# Altium PCB AN_IF_Converter_V1.0.PcbDoc (part 1 of 2) (continued)
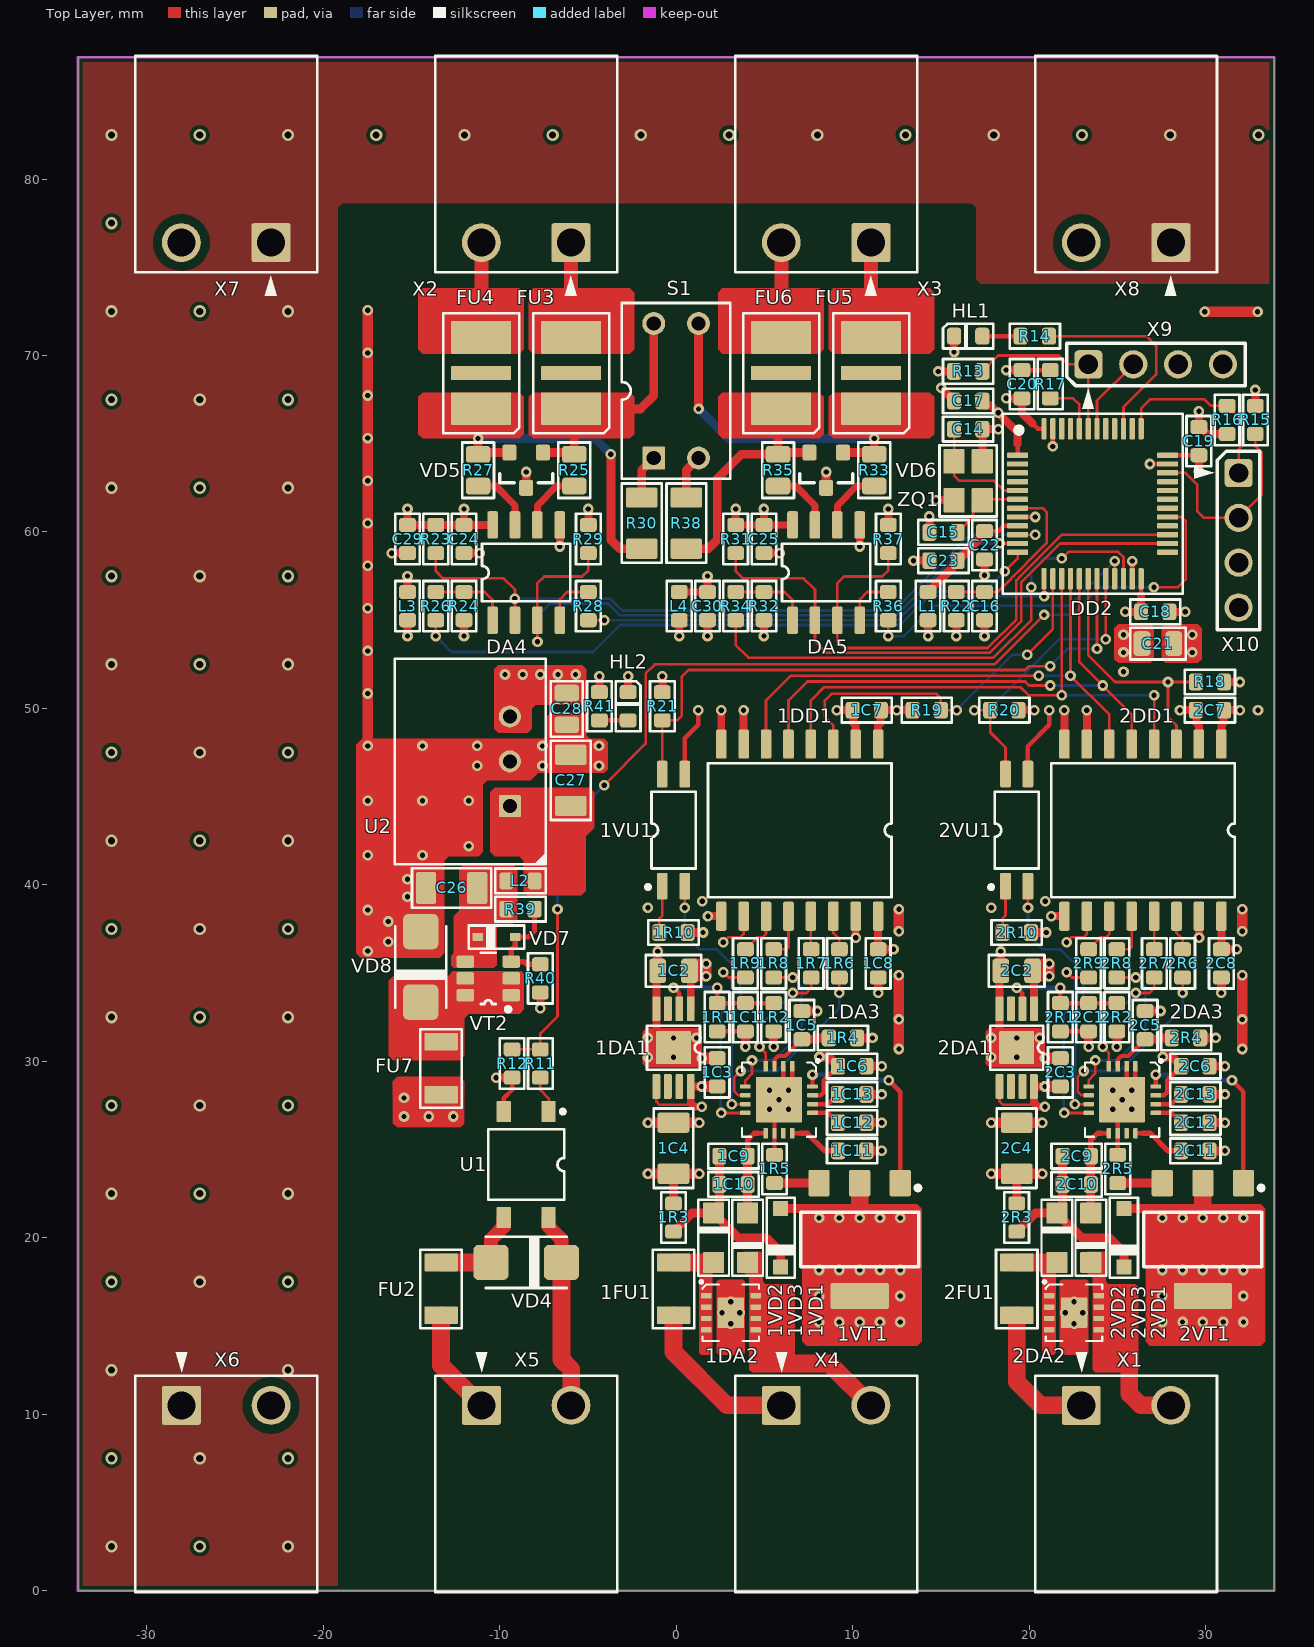
[diagram p0: Top Layer view]
## Part data (continued)
1R1 2R1: library part RC0603FR-07158KL, "Резистор", Артикул=RC0603FR-07158KL, Вид монтажа=SMD, Корпус="0603 (1608 Metric)", Напряжение=75V, Номинал=158k, Описание="158 kOhms ±1% 0.1W, 1/10W Chip Resistor 0603 (1608 Metric) Moisture Resistant Thick Film", Производитель=YAGEO, Строка для документации=https://www.yageo.com/upload/media/product/app/datasheet/rchip/pyu-rc_group_51_rohs_l.pdf, Температурный диапазон="-55°C ~ 155°C", Тип элемента=Резистор, ТКС=±100ppm/°C, Точность=1%
1R2 2R2: library part RC0603FR-07100KL, "Резистор", Артикул=RC0603FR-07100KL, Вид монтажа=SMD, Корпус="0603 (1608 Metric)", Напряжение=75V, Номинал=100k, Описание="100 kOhms ±1% 0.1W, 1/10W Chip Resistor 0603 (1608 Metric) Moisture Resistant Thick Film", Производитель=YAGEO, Строка для документации=https://www.yageo.com/upload/media/product/app/datasheet/rchip/pyu-rc_group_51_rohs_l.pdf, Температурный диапазон="-55°C ~ 155°C", Тип элемента=Резистор, ТКС=±100ppm/°C, Точность=1%
1R3 2R3: library part RC0603FR-07100RL, "Резистор", Артикул=RC0603FR-07100RL, Вид монтажа=SMD, Корпус="0603 (1608 Metric)", Напряжение=75V, Номинал=100, Описание="100 Ohms ±1% 0.1W, 1/10W Chip Resistor 0603 (1608 Metric) Moisture Resistant Thick Film", Производитель=YAGEO, Строка для документации=https://www.yageo.com/upload/media/product/app/datasheet/rchip/pyu-rc_group_51_rohs_l.pdf, Температурный диапазон="-55°C ~ 155°C", Тип элемента=Резистор, ТКС=±100ppm/°C, Точность=1%
1R4 1R5 1R6 1R7 1R8 1R9 2R4 2R5 2R6 2R7 2R8 2R9 R26 R28 R34 R36: library part RC0603FR-0722RL, "Резистор", Артикул=RC0603FR-0722RL, Вид монтажа=SMD, Корпус="0603 (1608 Metric)", Напряжение=75V, Номинал=22, Описание="22 Ohms ±1% 0.1W, 1/10W Chip Resistor 0603 (1608 Metric) Moisture Resistant Thick Film", Производитель=YAGEO, Строка для документации=https://www.yageo.com/upload/media/product/app/datasheet/rchip/pyu-rc_group_51_rohs_l.pdf, Температурный диапазон="-55°C ~ 155°C", Тип элемента=Резистор, ТКС=±100ppm/°C, Точность=1%
1R10 2R10: library part RC0603FR-07300RL, "Резистор", Артикул=RC0603FR-07300RL, Вид монтажа=SMD, Корпус="0603 (1608 Metric)", Напряжение=75V, Номинал=300, Описание="300 Ohms ±1% 0.1W, 1/10W Chip Resistor 0603 (1608 Metric) Moisture Resistant Thick Film", Производитель=YAGEO, Строка для документации=https://www.yageo.com/upload/media/product/app/datasheet/rchip/pyu-rc_group_51_rohs_l.pdf, Температурный диапазон="-55°C ~ 155°C", Тип элемента=Резистор, ТКС=±100ppm/°C, Точность=1%
1VD1 2VD1 VD7: "Стабилитрон", Вид монтажа=SMD, Тип=Zener, Тип элемента=Диод
  1VD1 2VD1: Артикул=MMSZ5228BT1G, Корпус=SOD-123, Напряжение=3.9V, Описание="Zener Diode 3.9 V 500 mW ±5% Surface Mount SOD-123", Производитель=onsemi, Прямой ток=20mA, Строка для документации=https://www.onsemi.com/pdf/datasheet/mmsz5221bt1-d.pdf, Температурный диапазон="-55°C ~ 150°C"
  VD7: Артикул=BZX384-B15,115, Корпус=SOD-323, Напряжение=15V, Описание="Zener Diode 15 V 300 mW ±2% Surface Mount SOD-323", Производитель="Nexperia USA Inc.", Прямой ток=5mA, Строка для документации=https://assets.nexperia.com/documents/data-sheet/BZX384_SER.pdf, Температурный диапазон="-65°C ~ 150°C"
1VD2 1VD3 2VD2 2VD3: "Диод Шоттки", Артикул=PMEG6010CEH,115, Вид монтажа=SMD, Корпус=SOD-123F, Напряжение=60V, Описание="Diode 60 V 1A Surface Mount SOD-123F", Производитель="Nexperia USA Inc.", Прямой ток=1A, Строка для документации=https://assets.nexperia.com/documents/data-sheet/PMEG6010CEH.pdf, Температурный диапазон="-65°C ~ 150°C", Тип=Schottky, Тип элемента=Диод
1VT1 2VT1: "Биполярный транзистор, NPN структуры", Артикул=PZT3904T1G, Вид монтажа=SMD, Корпус="SOT-223 (TO-261)", Напряжение=40V, Описание="Bipolar (BJT) Transistor NPN 40 V 200 mA 300MHz 1.5 W Surface Mount SOT-223 (TO-261)", Производитель=onsemi, Температурный диапазон="-55°C ~ 150°C (TJ)", Тип=NPN, Тип элемента="Транзистор биполярный", Ток=0.2A
1VU1 2VU1: "NPN транзисторная оптопара", Артикул=FODM217AR2, Вид монтажа=SMD, Корпус="4-SOIC (0.173\", 4.40mm Width)", Напряжение=1.2V, Описание="Optoisolator Transistor Output 3750Vrms 1 Channel 4-SOP", Производитель=onsemi, Прямой ток=50mA, Строка для документации=https://www.onsemi.com/pdf/datasheet/fodm214-d.pdf, Температурный диапазон="-55°C ~ 110°C", Тип элемента="Транзисторная оптопара"
C14 C15: library part CL10C100CB8NNNC, "Конденсатор", Артикул=CL10C100CB8NNNC, Вид монтажа=SMD, Диэлектрик=NP0, Корпус="0603 (1608 Metric)", Напряжение=50V, Номинал=10pF, Описание="10 pF ±0.25pF 50V Ceramic Capacitor C0G, NP0 0603 (1608 Metric)", Производитель="Samsung Electro-Mechanics", Строка для документации=https://www.samsungsem.com/resources/file/global/support/product_catalog/MLCC.pdf, Температурный диапазон="-55°C ~ 125°C", Тип элемента=Конденсатор, Точность=±0.25pF
DA4 DA5: "Микросхема приемопередатчика RS-485", Артикул=ADM3483ARZ, Вид монтажа=SMD, Корпус="8-SOIC (0.154\", 3.90mm Width)", Описание="1/1 Transceiver Half RS422, RS485 8-SOIC", Производитель="Analog Devices Inc.", Строка для документации=https://www.analog.com/media/en/technical-documentation/data-sheets/ADM3483_3485_3488_3490_3491.pdf, Температурный диапазон="-40°C ~ 85°C", Тип элемента=Микросхема
DD2: "Микросхема микроконтроллер", Артикул=STM32F103C8T6, Вид монтажа=SMD, Корпус="48-LQFP (9x9)", Описание="ARM® Cortex®-M3 STM32F1 Microcontroller IC 32-Bit Single-Core 72MHz 64KB (64K x 8) FLASH", Производитель=STMicroelectronics, Строка для документации=https://www.st.com/resource/en/datasheet/stm32f103cb.pdf, Температурный диапазон="-40°C ~ 85°C (TA)", Тип элемента=Микросхема
FU3 FU4 FU5 FU6: library part TBU-CA065-200-WH, "Полупроводниковый предохранитель", Артикул=TBU-CA065-200-WH, Вид монтажа=SMD, Корпус="6.50mm x 4.00mm", Напряжение ограничения=650V, Описание="SURGE SUPP TBU 200MA 650VIMP SMD", Производитель="Bourns Inc.", Строка для документации=https://www.bourns.com/docs/Product-Datasheets/TBU-CA.pdf, Температурный диапазон="-55°C ~ 125°C", Тип="Surge Suppression IС", Тип элемента=Предохранитель, Ток=200mA
FU7: library part 0ZCJ0010FF2E, "Плавкий предохранитель", Артикул=0ZCJ0010FF2E, Вид монтажа=SMD, Корпус="1206 (3216 Metric), Concave", Напряжение=60V, Описание="Polymeric PTC Resettable Fuse 60V 100 mA Ih Surface Mount 1206 (3216 Metric), Concave", Производитель="Bel Fuse Inc.", Строка для документации=https://www.belfuse.com/resources/datasheets/circuitprotection/ds-cp-0zcj-series.pdf, Температурный диапазон="-40°C ~ 85°C", Тип="PTC Resettable Fuse", Тип элемента=Предохранитель, Ток=100mA
HL1 HL2: "Светодиод", Вид монтажа=SMD, Корпус="0603 (1608 Metric)", Напряжение=2.5V, Производитель=Kingbright, Прямой ток=20mA, Температурный диапазон="-40°C ~ 80°C", Тип элемента="Диод светоизлучающий"
  HL1: Артикул=KP-1608MGC, Длина волны=570nm, Описание="Green 570nm LED Indication - Discrete 2.5V 0603 (1608 Metric)", Строка для документации=https://docs.rs-online.com/4930/0900766b8032f177.pdf, Цвет=Зеленый, Яркость=70mcd
  HL2: Артикул=KP-1608SURC, Длина волны=628nm, Описание="Red 628nm LED Indication - Discrete 2.5V 0603 (1608 Metric)", Строка для документации=https://docs.rs-online.com/ec7c/0900766b8032f182.pdf, Цвет=Красный, Яркость=200mcd
L1: library part BLM18AG601SN1D, "Фильтр ЭМП индуктивный", Артикул=BLM18AG601SN1D, Вид монтажа=SMD, Корпус="0603 (1608 Metric)", Номинал="600 @ 100MHz", Описание="600 Ohms @ 100 MHz 1 Ferrite Bead 0603 (1608 Metric) 500mA 380mOhm", Производитель="Murata Electronics", Сопротивление=380m, Строка для документации=https://www.murata.com/en-us/products/productdata/8796738650142/ENFA0003.pdf, Температурный диапазон="-55°C ~ 125°C", Тип="Ferrite Bead", Тип элемента="Фильтр ЭМП", Ток=500mA
L2 L3 L4: library part BLM18PG221SN1D, "Фильтр ЭМП индуктивный", Артикул=BLM18PG221SN1D, Вид монтажа=SMD, Корпус="0603 (1608 Metric)", Номинал="220 @ 100MHz", Описание="220 Ohms @ 100 MHz 1 Power Line Ferrite Bead 0603 (1608 Metric) 1.4A 100mOhm", Производитель="Murata Electronics", Сопротивление=100m, Строка для документации=https://www.murata.com/en-us/products/productdata/8796738650142/ENFA0003.pdf, Температурный диапазон="-55°C ~ 125°C", Тип="Ferrite Bead", Тип элемента="Фильтр ЭМП", Ток=1.4A
R11: library part RC0603FR-07560RL, "Резистор", Артикул=RC0603FR-07560RL, Вид монтажа=SMD, Корпус="0603 (1608 Metric)", Напряжение=75V, Номинал=560, Описание="560 Ohms ±1% 0.1W, 1/10W Chip Resistor 0603 (1608 Metric) Moisture Resistant Thick Film", Производитель=YAGEO, Строка для документации=https://www.yageo.com/upload/media/product/app/datasheet/rchip/pyu-rc_group_51_rohs_l.pdf, Температурный диапазон="-55°C ~ 155°C", Тип элемента=Резистор, ТКС=±100ppm/°C, Точность=1%
R12 R13 R15 R16 R17 R18 R19 R20 R21 R22 R23 R24 R29 R31 R32 R37 R39 R40: library part RC0603FR-0710KL, "Резистор", Артикул=RC0603FR-0710KL, Вид монтажа=SMD, Корпус="0603 (1608 Metric)", Напряжение=75V, Номинал=10k, Описание="10 kOhms ±1% 0.1W, 1/10W Chip Resistor 0603 (1608 Metric) Moisture Resistant Thick Film", Производитель=YAGEO, Строка для документации=https://www.yageo.com/upload/media/product/app/datasheet/rchip/pyu-rc_group_51_rohs_l.pdf, Температурный диапазон="-55°C ~ 155°C", Тип элемента=Резистор, ТКС=±100ppm/°C, Точность=1%
R14 R41: library part RC0603FR-071KL, "Резистор", Артикул=RC0603FR-071KL, Вид монтажа=SMD, Корпус="0603 (1608 Metric)", Напряжение=75V, Номинал=1k, Описание="1 kOhms ±1% 0.1W, 1/10W Chip Resistor 0603 (1608 Metric) Moisture Resistant Thick Film", Производитель=YAGEO, Строка для документации=https://www.yageo.com/upload/media/product/app/datasheet/rchip/pyu-rc_group_51_rohs_l.pdf, Температурный диапазон="-55°C ~ 155°C", Тип элемента=Резистор, ТКС=±100ppm/°C, Точность=1%
R25 R27 R33 R35: library part RC0805FR-0722RL, "Резистор", Артикул=RC0805FR-0722RL, Вид монтажа=SMD, Корпус="0805 (2012 Metric)", Напряжение=150V, Номинал=22, Описание="22 Ohms ±1% 0.125W, 1/8W Chip Resistor 0805 (2012 Metric) Moisture Resistant Thick Film", Производитель=YAGEO, Строка для документации=https://www.yageo.com/upload/media/product/productsearch/datasheet/rchip/PYu-RC_Group_51_RoHS_L_12.pdf, Температурный диапазон="-55°C ~ 155°C", Тип элемента=Резистор, ТКС=±100ppm/°C, Точность=1%
R30 R38: library part RC1206FR-07120RL, "Резистор", Артикул=RC1206FR-07120RL, Вид монтажа=SMD, Корпус="1206 (3216 Metric)", Напряжение=75V, Номинал=120, Описание="120 Ohms ±1% 0.25W, 1/4W Chip Resistor 1206 (3216 Metric) Moisture Resistant Thick Film", Производитель=YAGEO, Строка для документации=https://www.yageo.com/upload/media/product/productsearch/datasheet/rchip/PYu-RC_Group_51_RoHS_L_12.pdf, Температурный диапазон="-55°C ~ 155°C", Тип элемента=Резистор, ТКС=±100ppm/°C, Точность=1%
S1: "Выключатель, DPST-NO", Артикул=DS1040-02RN, Вид монтажа="Through hole", Конфигурация контактов=DPST-NO, Напряжение=24V, Описание="Dip Switch SPST 2 Position Through Hole Mount, 2.54mm Spacing, Slide (Standard) Actuator 100mA 24VDC", Производитель="Connfly electronic (Zhenqin)", Строка для документации=https://en.connfly.com/static/upload/file/pdf/DS1040.pdf, Тип элемента=Переключатель, Ток=0.1A
U1: "Твердотельное реле, SPST-NO", Артикул=PRAB31S, Вид монтажа=SMD, Контактная группа="SPST-NO (1 Form A)", Напряжение коммутируемое=350V, Напряжение обмотки=1.3V, Описание="Solid State SPST-NO (1 Form A) 4-SOP (0.173\", 4.40mm)", Производитель="АО Протон", Строка для документации=https://optron.proton-orel.ru/upload/library/catalog/optrony-2024.pdf, Температурный диапазон="-55°C ~ 100°C", Тип="Solid State Relay", Тип элемента="Твердотельное реле", Ток коммутируемый=120mA
U2: "Модуль неизолированного DC-DC конвертера", Артикул=R-78E3.3-0.5, Вид монтажа="Through Hole", Описание="Linear Regulator Replacement DC DC Converter 1 Output 3.3V 500mA 6V - 28V Input", Производитель="Recom Power", Строка для документации=https://recom-power.com/pdf/Innoline/R-78E-0.5.pdf, Температурный диапазон="-40°C ~ 85°C", Тип="DC-DC Converter", Тип элемента="DC-DC преобразователь"
VD4 VD8: "TVS диод двунаправленный", Вид монтажа=SMD, Корпус="DO-214AC, SMA", Производитель=STMicroelectronics, Строка для документации=https://www.st.com/resource/en/datasheet/cd00001333.pdf, Температурный диапазон="-55°C ~ 150°C (TJ)", Тип="TVS Bidirectional", Тип элемента="Диод защитный"
  VD4: Артикул=SMAJ58CA-TR, Напряжение=58V, Напряжение ограничения=121V, Напряжение пробоя=64.4V, Описание="121V Clamp 19A (8/20µs) Ipp Tvs Diode Surface Mount DO-214AC (SMA)", Ток=19A
  VD8: Артикул=SMAJ24CA-TR, Напряжение=24V, Напряжение ограничения=50V, Напряжение пробоя=26.7V, Описание="50V Clamp 46A (8/20µs) Ipp Tvs Diode Surface Mount DO-214AC (SMA)", Ток=46A
VD5 VD6: "Сборка TVS диодов", Артикул=CDSOT23-SM712, Корпус=SOT-23-3, Напряжение=7.0V, Напряжение ограничения=14V, Напряжение пробоя=7.5V, Описание="26V, 14V Clamp 17A (8/20µs) Ipp Tvs Diode Surface Mount SOT-23-3", Производитель="Bourns Inc.", Строка для документации=https://www.bourns.com/docs/Product-Datasheets/CDSOT23-SM712.pdf, Температурный диапазон="-55°C ~ 150°C (TJ)", Тип="TVS Bidirectional", Тип элемента="Диод защитный", Ток=17A
VT2: "МОП транзистор, P-канальный", Артикул=FDC5614P, Вид монтажа=SMD, Корпус=TSOT-23-6, Напряжение=-60V, Описание="P-Channel 60 V 3A (Ta) 1.6W (Ta) Surface Mount SuperSOT™-6", Пороговое напряжение=-3V, Производитель=onsemi, Сопротивление канала=105m, Строка для документации=https://www.onsemi.com/pdf/datasheet/fdc5614p-d.pdf, Температурный диапазон="-55°C ~ 150°C (TJ)", Тип=P-MOSFET, Тип элемента="Транзистор полевой", Ток="-3A (Ta)"
X1 X2 X3 X4 X5 X6 X7 X8: "Разъем, 2 контакта", Артикул=2EDGR-5.08-02P-14-00A(H), Вид монтажа="Through Hole", Количество контактов=2, Напряжение=320V, Описание="Pluggable terminal block; 5.08m; ways: 2; angled 90; socket; male", Производитель="Degson Electronics", Строка для документации=https://static.chipdip.ru/lib/044/DOC013044846.pdf, Температурный диапазон="-40°C ~ 105°C", Тип разъема="Pluggable terminal block", Тип элемента=Разъем, Ток=20A, Шаг контактов=5.08mm
X9 X10: "Разъем, 4 контакта", Артикул=DS1021-1X4SF11-B, Вид монтажа="Through Hole", Количество контактов=4, Напряжение=250V, Описание="Connector Header Through Hole 4 position 0.100\" (2.54mm)", Производитель="Connfly electronic (Zhenqin)", Строка для документации=http://cn.connfly.group/static/upload/file/pdf/DS1021.pdf, Температурный диапазон="-40°C ~ 105°C", Тип разъема="Header, Male Pin", Тип элемента=Разъем, Ток=3A, Шаг контактов=2.54mm
ZQ1: library part NX3225SA-16.000M-STD-CRS-2, "Кварцевый резонатор, экранированный", Артикул=NX3225SA-16.000M-STD-CRS-2, Вид монтажа=SMD, Корпус="3.20mm x 2.50mm", Описание="16 MHz ±15ppm Crystal 8pF 80 Ohms 4-SMD, No Lead", Производитель="NDK (NIHON DEMPA KOGYO CO., LTD)", Строка для документации=https://www.ndk.com/images/products/catalog/c_NX3225SA_e.pdf, Температурный диапазон="-40°C ~ 85°C", Тип="MHz Crystal", Тип элемента="Кварцевый резонатор", Точность=±15ppm, Частота=16MHz

## Via types
v1: diameter 0.6, hole 0.3, Top Layer to Bottom Layer, tented both sides, 284 vias
v2: diameter 0.7, hole 0.4, Top Layer to Bottom Layer, tented both sides, 59 vias
v3: diameter 0.6, hole 0.3, Top Layer to Bottom Layer, 10 vias

## Nets (pads, with @x,y where several pads share a name; then routed paths per layer and width w, separated by ;. In a path a pad name is that pad's centre, name@x,y a point inside that pad or via, vN(x,y) a via of type N, cw(c..) or ccw(c..) an arc to the next point about the centre after c; other vN are vias at no path point)
1DAC_CSB: 1DA3.6 1R6.1 | length 10.8
  Top Layer w0.15: v1(3.65,29.45) 3.3,29.1 3.3,28.3 3.525,28.075 1DA3.6@3.925,28.075 ; v1(9.25,33.875) 1R6.1@9.25,34.75
  Bottom Layer w0.15: v1(3.65,29.45) 5.675,29.45 9.25,33.025 v1(9.25,33.875)
1DAC_ERRB: 1DA3.7 1VU1.2 | length 15.2
  Top Layer w0.15: v1@0.485,38.705 1VU1.2@0.485,39.925 ; v1(3.15,27.575) 1DA3.7@3.925,27.575
  Bottom Layer w0.15: v1(0.49,38.7) 0.49,37.185 1.325,36.35 2.325,36.35 3.625,35.05 3.625,33.15 3.15,32.675 v1(3.15,27.575)
1DAC_SCLK: 1DA3.4 1R7.1 | length 6.8
  Top Layer w0.15: v1(4.725,30.825) 5.075,30.475 1DA3.4@5.075,29.725 ; v1(6.6,33.875) 7.375,33.875 7.65,34.15 1R7.1@7.65,34.75
  Bottom Layer w0.15: v1(4.725,30.825) 4.725,32 v1(6.6,33.875)
1DAC_SDI: 1DA3.5 1R8.1 | length 9.5
  Top Layer w0.15: 1DA3.5@3.925,28.575 3.925,28.925 4.3,29.3 v1(4.3,30.05) ; 1R8.1@5.525,34.75 v1(6.6,34.75)
  Bottom Layer w0.15: v1(4.3,30.05) 5.525,30.05 7.125,31.65 7.125,34.225 v1(6.6,34.75)
1DAC_SDO: 1DA3.8 1R9.1 | length 11.2
  Top Layer w0.15: v1(2.55,27.075) 1DA3.8@3.925,27.075 ; v1(2.675,35.05) 2.975,34.75 1R9.1@3.925,34.75
  Bottom Layer w0.15: v1(2.55,27.075) 2.525,27.1 2.525,32.675 3.15,33.3 3.15,34.575 v1(2.675,35.05)
1GND_IF: 1C2.2 1C3.1 1C4.2 1C5.2 1C6.1 1C8.1 1C11.1 1C12.1 1C13.1 1DA1.4 1DA1.9 1DA3.1 1DA3.2 1DA3.10 1DA3.17 1DD1.9 1DD1.15 1R2.2 1R5.2 | length 30.9
  Top Layer w0.25: 1R5.2@5.575,24.7 1DA3.10@5.575,25.925 5.575,27.575 v3(5.825,27.825) 6.075,28.075 1DA3.2@6.075,29.725 ; 1DA3.17@6.575,28.075 1DA3.1@6.575,29.725
  Top Layer w0.45: 1DA1.9@-1.125,31.2 1DA1.4@-1.125,32.975 -1.125,35.05 1C2.2@-1.05,35.125 ; v1(1.8,38.225) 1DD1.9@2.555,38.225 ; v1@10.175,37.005 1DD1.15@10.175,38.225
  Top Layer w0.5: 1C2.2@-1.05,35.125 v1(-1.05,36.225) ; v1(5.525,30.825) 1R2.2@5.525,31.7 ; 1C5.2@7.125,32.85 v1(8,32.85) ; 1C11.1@10.775,24.925 v1(11.65,24.925) ; 1C12.1@10.775,26.525 v1(11.65,26.525) ; 1C13.1@10.775,28.125 v1(11.65,28.125) ; 1C6.1@10.775,29.725 v1(11.65,29.725) ; v1(11.45,33.875) 1C8.1@11.45,34.75
  Top Layer w0.6: v1(-1.6,26.525) 1C4.2@-0.15,26.525 v1(1.3,26.525) ; v1(12.625,30.7) v1(12.625,32.375) v1(12.625,34.875) ; v1(12.625,37.375) v1(12.625,38.625)
  Top Layer w0.65: v1(-0.15,30.225) -0.1,30.175 1C3.1@2.325,30.175
  other v1: 1.45,30.175 -1.6,30.225 -1.6,31.325 -0.15,31.325 1.15,31.325 10.18,37 -1.6,38.7 1.475,39.075
  other v3: 5.285,27.285 6.365,27.285 5.285,28.365 6.365,28.365
1ISO_MISO: 1DD1.11 1R9.2 | length 2.5
  Top Layer w0.15: 1R9.2@3.925,36.35 4.6,37.025 4.9,37.025 5.095,37.22 1DD1.11@5.095,38.225
1ISO_MOSI: 1DD1.12 1R8.2 | length 2.6
  Top Layer w0.15: 1R8.2@5.525,36.35 6.25,36.35 6.365,36.465 1DD1.12@6.365,38.225
1ISO_nCS: 1DD1.14 1R6.2 | length 2
  Top Layer w0.15: 1DD1.14@8.905,38.225 8.905,37.27 9.25,36.925 1R6.2@9.25,36.35
1ISO_SCK: 1DD1.13 1R7.2 | length 1.9
  Top Layer w0.15: 1DD1.13@7.635,38.225 7.635,36.365 1R7.2@7.65,36.35
1PAD: 1DA2.9
  other v1: 3.1,15.125 2.6,15.75 3.6,15.75 3.1,16.375
1VDD_IF: 1C1.1 1C2.1 1C6.2 1C8.2 1DA1.1 1DA3.15 1DD1.10 1DD1.16 1R1.1 1R4.1 1R10.1 | length 17.3
  Top Layer w0.15: v1(2.675,36.75) 2.95,37.025 3.63,37.025 3.825,37.22 1DD1.10@3.825,38.225
  Top Layer w0.25: 1R1.1@2.325,31.7 1C1.1@3.925,31.7 ; 1DA3.15@7.725,28.075 8.2,28.075 8.375,28.25 8.375,28.925 1C6.2@9.175,29.725
  Top Layer w0.45: 1C2.1@0.75,35.125 0.825,35.05 1DA1.1@0.825,32.975 ; 1C8.2@11.445,36.355 1DD1.16@11.445,38.225
  Top Layer w0.5: 1R10.1@0.65,37.3 v1(1.525,37.3) ; v1(3.925,30.825) 1C1.1@3.925,31.7 ; v1(8.125,30.25) 8.65,30.25 1C6.2@9.175,29.725 ; 1R4.1@10.25,31.325 v1(11.125,31.325) ; 1C8.2@11.445,36.355 v1(12.32,36.355)
  Top Layer w0.6: 1C2.1@1.05,34.825 v1(1.7,34.825) v1(1.7,35.525) 1C2.1@1.05,35.525
2DAC_CSB: 2DA3.6 2R6.1 | length 10.8
  Top Layer w0.15: v1(23.1,29.45) 22.75,29.1 22.75,28.3 22.975,28.075 2DA3.6@23.375,28.075 ; v1(28.7,33.875) 2R6.1@28.7,34.75
  Bottom Layer w0.15: v1(23.1,29.45) 25.125,29.45 28.7,33.025 v1(28.7,33.875)
2DAC_ERRB: 2DA3.7 2VU1.2 | length 15.2
  Top Layer w0.15: v1@19.935,38.705 2VU1.2@19.935,39.925 ; v1(22.6,27.575) 2DA3.7@23.375,27.575
  Bottom Layer w0.15: v1(19.94,38.7) 19.94,37.185 20.775,36.35 21.775,36.35 23.075,35.05 23.075,33.15 22.6,32.675 v1(22.6,27.575)
2DAC_SCLK: 2DA3.4 2R7.1 | length 6.8
  Top Layer w0.15: v1(24.175,30.825) 24.525,30.475 2DA3.4@24.525,29.725 ; v1(26.05,33.875) 26.825,33.875 27.1,34.15 2R7.1@27.1,34.75
  Bottom Layer w0.15: v1(24.175,30.825) 24.175,32 v1(26.05,33.875)
2DAC_SDI: 2DA3.5 2R8.1 | length 9.5
  Top Layer w0.15: 2DA3.5@23.375,28.575 23.375,28.925 23.75,29.3 v1(23.75,30.05) ; 2R8.1@24.975,34.75 v1(26.05,34.75)
  Bottom Layer w0.15: v1(23.75,30.05) 24.975,30.05 26.575,31.65 26.575,34.225 v1(26.05,34.75)
2DAC_SDO: 2DA3.8 2R9.1 | length 11.2
  Top Layer w0.15: v1(22,27.075) 2DA3.8@23.375,27.075 ; v1(22.125,35.05) 22.425,34.75 2R9.1@23.375,34.75
  Bottom Layer w0.15: v1(22,27.075) 21.975,27.1 21.975,32.675 22.6,33.3 22.6,34.575 v1(22.125,35.05)
2GND_IF: 2C2.2 2C3.1 2C4.2 2C5.2 2C6.1 2C8.1 2C11.1 2C12.1 2C13.1 2DA1.4 2DA1.9 2DA3.1 2DA3.2 2DA3.10 2DA3.17 2DD1.9 2DD1.15 2R2.2 2R5.2 | length 32
  Top Layer w0.25: 2R5.2@25.025,24.7 2DA3.10@25.025,25.925 25.025,27.575 v3(25.275,27.825) 25.525,28.075 2DA3.2@25.525,29.725 ; v3(25.815,28.365) 26.025,28.575 2DA3.1@26.025,29.725
  Top Layer w0.45: 2C2.2@18.4,35.125 18.325,35.05 2DA1.4@18.325,32.975 18.325,31.2 v1(19.3,30.225) ; v1(21.25,38.225) 2DD1.9@22.005,38.225 ; v1@29.625,37.005 2DD1.15@29.625,38.225
  Top Layer w0.5: 2C2.2@18.4,35.125 v1(18.4,36.225) ; v1(24.975,30.825) 2R2.2@24.975,31.7 ; 2C5.2@26.575,32.85 v1(27.45,32.85) ; 2C11.1@30.225,24.925 v1(31.1,24.925) ; 2C12.1@30.225,26.525 v1(31.1,26.525) ; 2C13.1@30.225,28.125 v1(31.1,28.125) ; 2C6.1@30.225,29.725 v1(31.1,29.725) ; v1(30.9,33.875) 2C8.1@30.9,34.75
  Top Layer w0.6: v1(17.85,26.525) 2C4.2@19.3,26.525 v1(20.75,26.525) ; v1(32.075,30.7) v1(32.075,32.375) v1(32.075,34.875) ; v1(32.075,37.375) v1(32.075,38.625)
  Top Layer w0.65: v1(19.3,30.225) 19.35,30.175 v1(20.9,30.175) 2C3.1@21.775,30.175
  other v1: 17.85,30.225 17.85,31.325 19.3,31.325 20.6,31.325 29.63,37 17.85,38.7 20.925,39.075
  other v3: 24.735,27.285 25.815,27.285 24.735,28.365
2ISO_MISO: 2DD1.11 2R9.2 | length 2.5
  Top Layer w0.15: 2R9.2@23.375,36.35 24.05,37.025 24.35,37.025 24.545,37.22 2DD1.11@24.545,38.225
2ISO_MOSI: 2DD1.12 2R8.2 | length 2.6
  Top Layer w0.15: 2R8.2@24.975,36.35 25.7,36.35 25.815,36.465 2DD1.12@25.815,38.225
2ISO_nCS: 2DD1.14 2R6.2 | length 2
  Top Layer w0.15: 2DD1.14@28.355,38.225 28.355,37.27 28.7,36.925 2R6.2@28.7,36.35
2ISO_SCK: 2DD1.13 2R7.2 | length 1.9
  Top Layer w0.15: 2DD1.13@27.085,38.225 27.085,36.365 2R7.2@27.1,36.35
2PAD: 2DA2.9
  other v1: 22.55,15.125 22.05,15.75 23.05,15.75 22.55,16.375
2VDD_IF: 2C1.1 2C2.1 2C6.2 2C8.2 2DA1.1 2DA3.15 2DD1.10 2DD1.16 2R1.1 2R4.1 2R10.1 | length 17.3
  Top Layer w0.15: v1(22.125,36.75) 22.4,37.025 23.08,37.025 23.275,37.22 2DD1.10@23.275,38.225
  Top Layer w0.25: 2R1.1@21.775,31.7 2C1.1@23.375,31.7 ; 2DA3.15@27.175,28.075 27.65,28.075 27.825,28.25 27.825,28.925 2C6.2@28.625,29.725
  Top Layer w0.45: 2C2.1@20.2,35.125 20.275,35.05 2DA1.1@20.275,32.975 ; 2DD1.16@30.895,38.225 30.895,36.355 2C8.2@30.9,36.35
  Top Layer w0.5: 2R10.1@20.1,37.3 v1(20.975,37.3) ; v1(23.375,30.825) 2C1.1@23.375,31.7 ; v1(27.575,30.25) 28.1,30.25 2C6.2@28.625,29.725 ; 2R4.1@29.7,31.325 v1(30.575,31.325) ; 2C8.2@30.895,36.355 v1(31.77,36.355)
  Top Layer w0.6: 2C2.1@20.5,34.825 v1(21.15,34.825) v1(21.15,35.525) 2C2.1@20.5,35.525
+3.3V: 1C7.1 1DD1.1 1DD1.7 2C7.1 2DD1.1 2DD1.7 C17.2 C18.2 C19.2 C20.2 C21.2 C28.2 DD2.1 DD2.24 DD2.36 DD2.48 L1.1 L3.1 L4.1 R13.2 R15.2 R18.2 R19.2 R20.2 R21.2 R22.2 R41.1 U2.3 X9.4 X10.3 | length 32.5
  Top Layer w0.25: DD2.1@19.35,64.35 19.35,64.975 ; 20.2,66.15 20.5,65.85 DD2.48@20.85,65.85 ; 26.35,56.425 DD2.24@26.35,57.35 ; DD2.36@27.85,64.35 C19.2@29.625,64.35
  Top Layer w0.45: v1(-15.225,54.1) L3.1@-15.225,55 ; R41.1@-4.35,50.925 v1(-4.35,51.825) ; R21.2@-0.785,50.925 v1(-0.785,51.825) ; v1(0.175,54.1) L4.1@0.175,55 ; 1DD1.7@3.825,47.975 v1@3.825,49.962 ; 1DD1.1@11.445,47.975 11.445,49.045 11.575,49.175 1C7.1@11.575,49.875 ; 1C7.1@11.6,49.9 v1(12.5,49.9) R19.2@13.4,49.9 ; v1(14.275,54.1) L1.1@14.275,55 ; v1(14.85,69.1) R13.2@15.75,69.1 ; v1(15.875,54.1) R22.2@15.875,55 ; C17.2@17.35,67.425 17.35,67.35 17.525,67.175 17.825,67.175 v1(18.25,66.75) 19.35,65.65 19.35,64.975 ; v1(18.7,67.575) C20.2@19.6,67.575 19.6,66.75 20.2,66.15 ; R20.2@19.4,49.9 v1(20.3,49.9) ; 2DD1.7@23.275,47.975 v1@23.275,49.962 ; v1(25.45,55.475) C18.2@26.35,55.475 26.35,56.425 ; v1(29.625,63.45) C19.2@29.625,64.35 ; 2DD1.1@30.895,47.975 30.895,49.045 31.025,49.175 31.025,49.875 2C7.1@31.05,49.9 v1(31.95,49.9) ; R18.2@31.05,51.5 v1(31.95,51.5) ; R15.2@32.825,67.15 v1(32.825,68.05)
  other v1: 3.82,49.9 23.27,49.9 -9.7,51.925 -8.7,51.925 -7.7,51.925 -6.7,51.925 -5.7,51.925 25.35,53.175 25.35,54.175
+3.3V_IF1: C24.1 C29.1 DA4.8 L3.2 R23.1 R24.1 | length 8.4
  Top Layer w0.45: L3.2@-15.225,56.6 v1(-15.225,57.5) ; v1(-15.225,61.3) C29.1@-15.225,60.4 R23.1@-13.625,60.4 C24.1@-12.025,60.4 ; v1(-12.025,54.1) R24.1@-12.025,55 ; v1(-12.025,61.3) C24.1@-12.025,60.4 ; DA4.8@-10.405,60.4 C24.1@-12.025,60.4
+3.3V_IF2: C25.1 C30.1 DA5.8 L4.2 R31.1 R32.1 | length 8.4
  Top Layer w0.4: L4.2@0.175,56.6 C30.1@1.775,56.6 ; R31.1@3.375,60.4 C25.1@4.975,60.4 DA5.8@6.595,60.4
  Top Layer w0.45: C30.1@1.775,56.6 v1(1.775,57.5) ; R31.1@3.375,60.4 v1(3.375,61.3) ; v1(4.975,54.1) R32.1@4.975,55 ; C25.1@4.975,60.4 v1(4.975,61.3)
+24V: FU7.2 X6.1 X7.1 X8.1
  other v1: -15.425,26.875 -14.025,26.875 -12.625,26.875 -15.425,27.925
  other v2: -32,2.5 -22,2.5 -27,7.5 -32,12.5 -22,12.5 -27,17.5 -32,22.5 -22,22.5 -27,27.5 -32,32.5 -22,32.5 -27,37.5 -32,42.5 -22,42.5 -27,47.5 -32,52.5 -22,52.5 -27,57.5 -32,62.5 -22,62.5 -27,67.5 -32,72.5 -22,72.5 -32,82.5 -22,82.5 -12,82.5 -2,82.5 8,82.5 18,82.5 28,82.5
+24V_SYS: C26.1 L2.1 R39.1 VD7.1 VT2.4
+VDDA: C22.2 C23.1 DD2.9 L1.2 | length 6.8
  Top Layer w0.25: C22.2@17.475,60.05 18.275,60.05 18.575,60.35 DD2.9@19.35,60.35
  Top Layer w0.5: L1.2@14.275,56.6 15.95,58.275 C23.1@15.95,58.375 17.475,59.9 C22.2@17.475,60.05